# Altium PCB Ethernet2Mil_Adapter_Dual.PcbDoc (part 4 of 5)
Units mil, origin at the board's own origin, x right, y up, seen from the top; angles counter-clockwise.
Board outline 6000 x 4000 mil, 2 copper layers (Top Layer, Bottom Layer); 318 components, 359 nets, 3384 pads, 22 vias.
Unrouted connection lines stored in the file: 800.
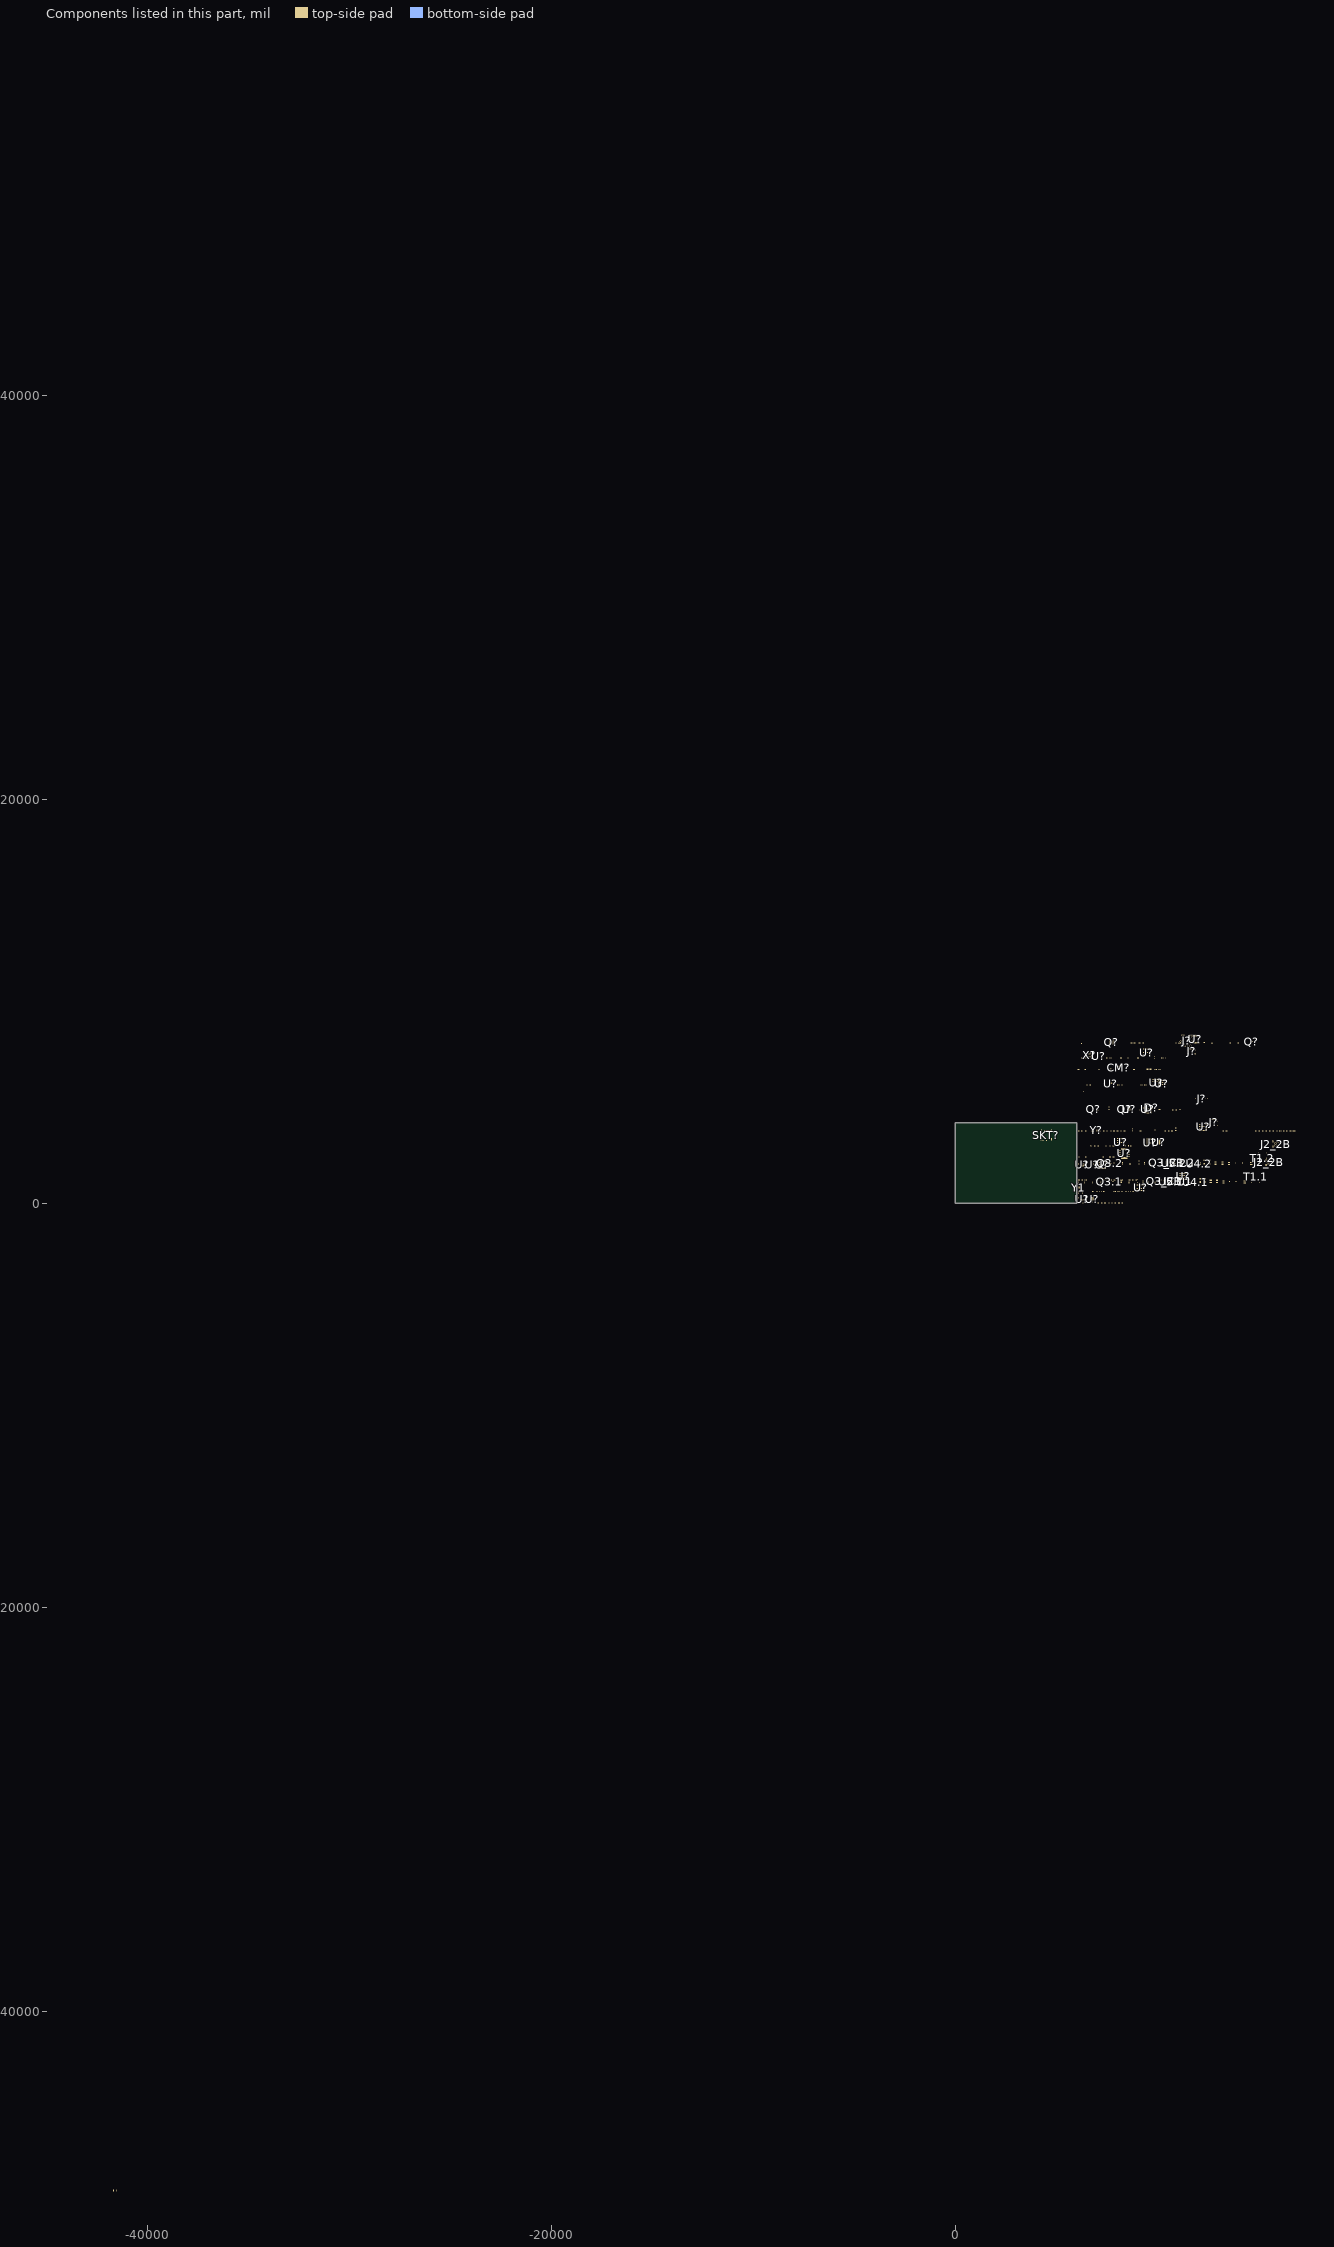
[diagram p4: the components of this part, seen from the top]

## Via types
v1: diameter 19.68, hole 7.87, Top Layer to Bottom Layer, 12 vias
v2: diameter 23.62, hole 9.84, Top Layer to Bottom Layer, 9 vias
v3: diameter 177.17, hole 118.11, Top Layer to Bottom Layer, 1 vias

## Nets (pads, with @x,y where several pads share a name; then routed paths per layer and width w, separated by ;. In a path a pad name is that pad's centre, name@x,y a point inside that pad or via, vN(x,y) a via of type N, cw(c..) or ccw(c..) an arc to the next point about the centre after c; other vN are vias at no path point) (continued)
pads on no net: C?.2@6845.04,585 D?.1@10745,8040.5 D?.2@10745,8079.5 D?.A@6105.31,2295 FD?.0 J2_2B.3@15371,1898 J2_2B.4@15371,2156 J2_2B.5@15629,1898 J2_2B.6@15969,3066 J?.A2@12701.42,4144.41 J?.A3@12721.1,4144.41 J?.A8@12819.53,4144.41 J?.A10@12858.9,4144.41 J?.A11@12878.58,4144.41 J?.B2@12884.49,4069.21 J?.B3@12852.99,4069.21 J?.B8@12758.5,4069.21 J?.B10@12727.01,4069.21 J?.B11@12695.51,4069.21 J?.MH J?.MH1 J?.MH2 Q3.1.1 Q3.1.5 Q3.1.6 Q3.2.1 Q3.2.5 Q3.2.6 Q3_2B.2 Q3_2B.3 Q3_2B.4 Q?.1@8291.85,4730 Q?.2@8291.85,4680 Q?.3@7636.85,7940 Q?.3@14699.37,8010 Q?.4@7636.85,7890 Q?.5@7823.15,7890 Q?.6@7823.15,7940 Q?.7@8478.15,4680 Q?.8@8478.15,4730 R?.1@7057.28,2845 R?.1@7615.32,2845 R?.1@7857.28,5845 R?.1@10737.28,4625 R?.1@14487.28,3575 R?.2@6444.69,6630 R?.2@6459.69,2290 R?.2@7554.9,7925 R?.2@7654.69,2845 R?.2@8209.61,7195 R?.2@8374.69,7925 R?.2@8397.72,5845 R?.2@8807.72,585 R?.2@9179.61,3580 R?.2@11149.61,4640 R?.2@12004.9,3575 U?.2@6698.23,239.53 U?.3@6698.23,219.84 U?.4@6698.23,200.16 U?.5@6698.23,180.47 U?.6@6698.23,160.79 U?.6@8136.56,2519.21 U?.7@8136.56,2499.53 U?.8@6745.47,133.23 U?.17@8212.36,2246.56 U?.18@8232.05,2246.56 U?.19@8251.73,2246.56 U?.21@6784.84,286.77 U?.36@10057.13,3130.47 U?.A1@7087.83,2082.17 U?.A1@8982.83,952.17 U?.A1@9282.83,7642.17 U?.A1@9347.83,4827.17 U?.A1@9467.83,3187.17 U?.A1@9752.83,5797.83 U?.A1@10032.83,5747.83 U?.A1@11097.83,1517.17 U?.A1@12077.83,3607.83 U?.A2@7107.52,2082.17 U?.A2@8027.52,3212.17 U?.A2@9002.52,952.17 U?.A2@9302.52,7642.17 U?.A2@9367.52,4827.17 U?.A2@9752.83,5817.52 U?.A2@10032.83,5767.52 U?.A2@11117.52,1517.17 U?.A2@12077.83,3627.52 U?.A3@7127.2,2082.17 U?.A3@9022.2,952.17 U?.A3@9322.2,7642.17 U?.A3@9387.2,4827.17 U?.A3@9507.2,3187.17 U?.A3@9752.83,5837.2 U?.A3@10032.83,5787.2 U?.A3@11137.2,1517.17 U?.A3@12077.83,3647.2 U?.A4@7146.89,2082.17 U?.A4@8066.89,3212.17 U?.A4@9041.89,952.17 U?.A4@9341.89,7642.17 U?.A4@9406.89,4827.17 U?.A4@9752.83,5856.89 U?.A4@10032.83,5806.89 U?.A4@11156.89,1517.17 U?.A4@12077.83,3666.89 U?.A5@7166.57,2082.17 U?.A5@9061.57,952.17 U?.A5@9361.57,7642.17 U?.A5@9426.57,4827.17 U?.A5@9546.57,3187.17 U?.A5@9752.83,5876.57 U?.A5@10032.83,5826.57 U?.A5@11176.57,1517.17 U?.A5@12077.83,3686.57 U?.A6@7186.26,2082.17 U?.A6@8106.26,3212.17 U?.A6@9081.26,952.17 U?.A6@9381.26,7642.17 U?.A6@9446.26,4827.17 U?.A6@9752.83,5896.26 U?.A6@10032.83,5846.26 U?.A6@11196.26,1517.17 U?.A6@12077.83,3706.26 U?.A7@7205.94,2082.17 U?.A7@9100.94,952.17 U?.A7@9400.94,7642.17 U?.A7@9465.94,4827.17 U?.A7@9585.94,3187.17 U?.A7@9752.83,5915.94 U?.A7@10032.83,5865.94 U?.A7@11215.94,1517.17 U?.A7@12077.83,3725.94 U?.A8@7225.63,2082.17 U?.A8@8145.63,3212.17 U?.A8@9120.63,952.17 U?.A8@9420.63,7642.17 U?.A8@9485.63,4827.17 U?.A8@9752.83,5935.63 U?.A8@10032.83,5885.63 U?.A8@11235.63,1517.17 U?.A8@12077.83,3745.63 U?.A9@7245.31,2082.17 U?.A9@9140.31,952.17 U?.A9@9440.31,7642.17 U?.A9@9505.31,4827.17 U?.A9@9625.31,3187.17 U?.A9@9752.83,5955.31 U?.A9@10032.83,5905.31 U?.A9@11255.31,1517.17 U?.A9@12077.83,3765.31 U?.A10@7265,2082.17 U?.A10@8185,3212.17 U?.A10@9160,952.17 U?.A10@9460,7642.17 U?.A10@9525,4827.17 U?.A10@9752.83,5975 U?.A10@10032.83,5925 U?.A10@11275,1517.17 U?.A10@12077.83,3785 U?.A11@7284.68,2082.17 U?.A11@8204.68,3212.17 U?.A11@9179.68,952.17 U?.A11@9544.68,4827.17 U?.A11@9664.68,3187.17 U?.A11@9752.83,5994.69 U?.A11@10032.83,5944.69 U?.A11@11294.68,1517.17 U?.A11@12077.83,3804.69 U?.A12@7304.37,2082.17 U?.A12@8224.37,3212.17 U?.A12@9199.37,952.17 U?.A12@9564.37,4827.17 U?.A12@9684.37,3187.17 U?.A12@9752.83,6014.37 U?.A12@10032.83,5964.37 U?.A12@11314.37,1517.17 U?.A12@12077.83,3824.37 U?.A13@7324.06,2082.17 U?.A13@8244.06,3212.17 U?.A13@9219.06,952.17 U?.A13@9584.06,4827.17 U?.A13@9704.06,3187.17 U?.A13@9752.83,6034.06 U?.A13@10032.83,5984.06 U?.A13@11334.06,1517.17 U?.A13@12077.83,3844.06 U?.A14@7343.74,2082.17 U?.A14@8263.74,3212.17 U?.A14@9238.74,952.17 U?.A14@9538.74,7642.17 U?.A14@9603.74,4827.17 U?.A14@9723.74,3187.17 U?.A14@9752.83,6053.74 U?.A14@10032.83,6003.74 U?.A14@12077.83,3863.74 U?.A15@7363.43,2082.17 U?.A15@8283.43,3212.17 U?.A15@9258.43,952.17 U?.A15@9558.43,7642.17 U?.A15@9623.43,4827.17 U?.A15@9743.43,3187.17 U?.A15@9752.83,6073.43 U?.A15@10032.83,6023.43 U?.A15@12077.83,3883.43 U?.A16@7383.11,2082.17 U?.A16@8303.11,3212.17 U?.A16@9278.11,952.17 U?.A16@9578.11,7642.17 U?.A16@9643.11,4827.17 U?.A16@9752.83,6093.11 U?.A16@9763.11,3187.17 U?.A16@10032.83,6043.11 U?.A16@12077.83,3903.11 U?.A17@7402.8,2082.17 U?.A17@8322.8,3212.17 U?.A17@9297.8,952.17 U?.A17@9597.8,7642.17 U?.A17@9662.8,4827.17 U?.A17@9752.83,6112.8 U?.A17@9782.8,3187.17 U?.A17@10032.83,6062.8 U?.A17@12077.83,3922.8 U?.A18@7422.48,2082.17 U?.A18@8342.48,3212.17 U?.A18@9317.48,952.17 U?.A18@9617.48,7642.17 U?.A18@9682.48,4827.17 U?.A18@9752.83,6132.48 U?.A18@9802.48,3187.17 U?.A18@10032.83,6082.48 U?.A18@12077.83,3942.48 U?.A19@7442.17,2082.17 U?.A19@9337.17,952.17 U?.A19@9637.17,7642.17 U?.A19@9702.17,4827.17 U?.A19@9752.83,6152.17 U?.A19@9822.17,3187.17 U?.A19@10032.83,6102.17 U?.A19@11452.17,1517.17 U?.A19@12077.83,3962.17 U?.B1@8007.83,3192.48 U?.B1@8982.83,932.48 U?.B1@9282.83,7622.48 U?.B1@9347.83,4807.48 U?.B1@9467.83,3167.48 U?.B1@9772.52,5797.83 U?.B1@10052.52,5747.83 U?.B1@11097.83,1497.48 U?.B1@12097.52,3607.83 U?.B2@7107.52,2062.48 U?.B2@8027.52,3192.48 U?.B2@9002.52,932.48 U?.B2@9302.52,7622.48 U?.B2@9367.52,4807.48 U?.B2@9772.52,5817.52 U?.B2@10052.52,5767.52 U?.B2@11117.52,1497.48 U?.B2@12097.52,3627.52 U?.B3@7127.2,2062.48 U?.B3@9022.2,932.48 U?.B3@9322.2,7622.48 U?.B3@9387.2,4807.48 U?.B3@9507.2,3167.48 U?.B3@9772.52,5837.2 U?.B3@10052.52,5787.2 U?.B3@11137.2,1497.48 U?.B3@12097.52,3647.2 U?.B4@7146.89,2062.48 U?.B4@8066.89,3192.48 U?.B4@9041.89,932.48 U?.B4@9341.89,7622.48 U?.B4@9406.89,4807.48 U?.B4@9772.52,5856.89 U?.B4@10052.52,5806.89 U?.B4@11156.89,1497.48 U?.B4@12097.52,3666.89 U?.B5@7166.57,2062.48 U?.B5@9061.57,932.48 U?.B5@9361.57,7622.48 U?.B5@9426.57,4807.48 U?.B5@9546.57,3167.48 U?.B5@9772.52,5876.57 U?.B5@10052.52,5826.57 U?.B5@11176.57,1497.48 U?.B5@12097.52,3686.57 U?.B6@7186.26,2062.48 U?.B6@8106.26,3192.48 U?.B6@9081.26,932.48 U?.B6@9381.26,7622.48 U?.B6@9446.26,4807.48 U?.B6@9772.52,5896.26 U?.B6@10052.52,5846.26 U?.B6@11196.26,1497.48 U?.B6@12097.52,3706.26 U?.B7@7205.94,2062.48 U?.B7@9100.94,932.48 U?.B7@9400.94,7622.48 U?.B7@9465.94,4807.48 U?.B7@9585.94,3167.48 U?.B7@9772.52,5915.94 U?.B7@10052.52,5865.94 U?.B7@11215.94,1497.48 U?.B7@12097.52,3725.94 U?.B8@7225.63,2062.48 U?.B8@8145.63,3192.48 U?.B8@9120.63,932.48 U?.B8@9420.63,7622.48 U?.B8@9485.63,4807.48 U?.B8@9772.52,5935.63 U?.B8@10052.52,5885.63 U?.B8@11235.63,1497.48 U?.B8@12097.52,3745.63 U?.B9@7245.31,2062.48 U?.B9@9140.31,932.48 U?.B9@9440.31,7622.48 U?.B9@9505.31,4807.48 U?.B9@9625.31,3167.48 U?.B9@9772.52,5955.31 U?.B9@10052.52,5905.31 U?.B9@11255.31,1497.48 U?.B9@12097.52,3765.31 U?.B10@7265,2062.48 U?.B10@8185,3192.48 U?.B10@9160,932.48 U?.B10@9460,7622.48 U?.B10@9525,4807.48 U?.B10@9772.52,5975 U?.B10@10052.52,5925 U?.B10@11275,1497.48 U?.B10@12097.52,3785 U?.B11@7284.68,2062.48 U?.B11@8204.68,3192.48 U?.B11@9179.68,932.48 U?.B11@9544.68,4807.48 U?.B11@9664.68,3167.48 U?.B11@9772.52,5994.69 U?.B11@10052.52,5944.69 U?.B11@11294.68,1497.48 U?.B11@12097.52,3804.69 U?.B12@7304.37,2062.48 U?.B12@8224.37,3192.48 U?.B12@9199.37,932.48 U?.B12@9564.37,4807.48 U?.B12@9684.37,3167.48 U?.B12@9772.52,6014.37 U?.B12@10052.52,5964.37 U?.B12@11314.37,1497.48 U?.B12@12097.52,3824.37 U?.B13@7324.06,2062.48 U?.B13@8244.06,3192.48 U?.B13@9219.06,932.48 U?.B13@9584.06,4807.48 U?.B13@9704.06,3167.48 U?.B13@9772.52,6034.06 U?.B13@10052.52,5984.06 U?.B13@11334.06,1497.48 U?.B13@12097.52,3844.06 U?.B14@7343.74,2062.48 U?.B14@9238.74,932.48 U?.B14@9538.74,7622.48 U?.B14@9603.74,4807.48 U?.B14@9723.74,3167.48 U?.B14@9772.52,6053.74 U?.B14@10052.52,6003.74 U?.B14@11353.74,1497.48 U?.B14@12097.52,3863.74 U?.B15@7363.43,2062.48 U?.B15@8283.43,3192.48 U?.B15@9258.43,932.48 U?.B15@9558.43,7622.48 U?.B15@9623.43,4807.48 U?.B15@9743.43,3167.48 U?.B15@9772.52,6073.43 U?.B15@10052.52,6023.43 U?.B15@12097.52,3883.43 U?.B16@7383.11,2062.48 U?.B16@8303.11,3192.48 U?.B16@9278.11,932.48 U?.B16@9578.11,7622.48 U?.B16@9643.11,4807.48 U?.B16@9763.11,3167.48 U?.B16@9772.52,6093.11 U?.B16@10052.52,6043.11 U?.B16@12097.52,3903.11 U?.B17@7402.8,2062.48 U?.B17@8322.8,3192.48 U?.B17@9297.8,932.48 U?.B17@9597.8,7622.48 U?.B17@9662.8,4807.48 U?.B17@9772.52,6112.8 U?.B17@9782.8,3167.48 U?.B17@10052.52,6062.8 U?.B17@12097.52,3922.8 U?.B18@7422.48,2062.48 U?.B18@8342.48,3192.48 U?.B18@9317.48,932.48 U?.B18@9617.48,7622.48 U?.B18@9682.48,4807.48 U?.B18@9772.52,6132.48 U?.B18@9802.48,3167.48 U?.B18@10052.52,6082.48 U?.B18@12097.52,3942.48 U?.B19@7442.17,2062.48 U?.B19@8362.17,3192.48 U?.B19@9337.17,932.48 U?.B19@9637.17,7622.48 U?.B19@9702.17,4807.48 U?.B19@9772.52,6152.17 U?.B19@9822.17,3167.48 U?.B19@11452.17,1497.48 U?.B19@12097.52,3962.17 U?.C1@8007.83,3172.8 U?.C1@8982.83,912.8 U?.C1@9282.83,7602.8 U?.C1@9347.83,4787.8 U?.C1@9467.83,3147.8 U?.C1@9792.2,5797.83 U?.C1@10072.2,5747.83 U?.C1@11097.83,1477.8 U?.C1@12117.2,3607.83 U?.C2@7107.52,2042.8 U?.C2@9002.52,912.8 U?.C2@9302.52,7602.8 U?.C2@9367.52,4787.8 U?.C2@9487.52,3147.8 U?.C2@9792.2,5817.52 U?.C2@10072.2,5767.52 U?.C2@11117.52,1477.8 U?.C2@12117.2,3627.52 U?.C3@7127.2,2042.8 U?.C3@9022.2,912.8 U?.C3@9322.2,7602.8 U?.C3@9387.2,4787.8 U?.C3@9507.2,3147.8 U?.C3@9792.2,5837.2 U?.C3@10072.2,5787.2 U?.C3@11137.2,1477.8 U?.C3@12117.2,3647.2 U?.C4@7146.89,2042.8 U?.C4@9041.89,912.8 U?.C4@9341.89,7602.8 U?.C4@9406.89,4787.8 U?.C4@9526.89,3147.8 U?.C4@9792.2,5856.89 U?.C4@10072.2,5806.89 U?.C4@11156.89,1477.8 U?.C4@12117.2,3666.89 U?.C5@8086.57,3172.8 U?.C5@9061.57,912.8 U?.C5@9361.57,7602.8 U?.C5@9426.57,4787.8 U?.C5@9546.57,3147.8 U?.C5@9792.2,5876.57 U?.C5@10072.2,5826.57 U?.C5@11176.57,1477.8 U?.C5@12117.2,3686.57 U?.C6@7186.26,2042.8 U?.C6@9081.26,912.8 U?.C6@9381.26,7602.8 U?.C6@9446.26,4787.8 U?.C6@9566.26,3147.8 U?.C6@9792.2,5896.26 U?.C6@10072.2,5846.26 U?.C6@11196.26,1477.8 U?.C6@12117.2,3706.26 U?.C7@7205.94,2042.8 U?.C7@8125.94,3172.8 U?.C7@9100.94,912.8 U?.C7@9400.94,7602.8 U?.C7@9465.94,4787.8 U?.C7@9792.2,5915.94 U?.C7@10072.2,5865.94 U?.C7@11215.94,1477.8 U?.C7@12117.2,3725.94 U?.C8@7225.63,2042.8 U?.C8@8145.63,3172.8 U?.C8@9120.63,912.8 U?.C8@9485.63,4787.8 U?.C8@9605.63,3147.8 U?.C8@9792.2,5935.63 U?.C8@10072.2,5885.63 U?.C8@11235.63,1477.8 U?.C8@12117.2,3745.63 U?.C9@7245.31,2042.8 U?.C9@8165.31,3172.8 U?.C9@9140.31,912.8 U?.C9@9440.31,7602.8 U?.C9@9505.31,4787.8 U?.C9@9625.31,3147.8 U?.C9@10072.2,5905.31 U?.C9@11255.31,1477.8 U?.C9@12117.2,3765.31 U?.C10@7265,2042.8 U?.C10@9160,912.8 U?.C10@9460,7602.8 U?.C10@9525,4787.8 U?.C10@9645,3147.8 U?.C10@9792.2,5975 U?.C10@10072.2,5925 U?.C10@11275,1477.8 U?.C10@12117.2,3785 U?.C11@7284.68,2042.8 U?.C11@8204.68,3172.8 U?.C11@9179.68,912.8 U?.C11@9544.68,4787.8 U?.C11@9664.68,3147.8 U?.C11@9792.2,5994.69 U?.C11@10072.2,5944.69 U?.C11@11294.68,1477.8 U?.C11@12117.2,3804.69 U?.C12@7304.37,2042.8 U?.C12@9199.37,912.8 U?.C12@9499.37,7602.8 U?.C12@9564.37,4787.8 U?.C12@9684.37,3147.8 U?.C12@9792.2,6014.37 U?.C12@10072.2,5964.37 U?.C12@11314.37,1477.8 U?.C12@12117.2,3824.37 U?.C13@7324.06,2042.8 U?.C13@8244.06,3172.8 U?.C13@9219.06,912.8 U?.C13@9519.06,7602.8 U?.C13@9584.06,4787.8 U?.C13@9704.06,3147.8 U?.C13@10072.2,5984.06 U?.C13@11334.06,1477.8 U?.C13@12117.2,3844.06 U?.C14@7343.74,2042.8 U?.C14@8263.74,3172.8 U?.C14@9238.74,912.8 U?.C14@9538.74,7602.8 U?.C14@9603.74,4787.8 U?.C14@9723.74,3147.8 U?.C14@9792.2,6053.74 U?.C14@11353.74,1477.8 U?.C14@12117.2,3863.74 U?.C15@7363.43,2042.8 U?.C15@8283.43,3172.8 U?.C15@9258.43,912.8 U?.C15@9558.43,7602.8 U?.C15@9623.43,4787.8 U?.C15@9743.43,3147.8 U?.C15@9792.2,6073.43 U?.C15@10072.2,6023.43 U?.C15@12117.2,3883.43 U?.C16@7383.11,2042.8 U?.C16@8303.11,3172.8 U?.C16@9278.11,912.8 U?.C16@9578.11,7602.8 U?.C16@9643.11,4787.8 U?.C16@9763.11,3147.8 U?.C16@9792.2,6093.11 U?.C16@10072.2,6043.11 U?.C16@12117.2,3903.11 U?.C17@7402.8,2042.8 U?.C17@8322.8,3172.8 U?.C17@9297.8,912.8 U?.C17@9597.8,7602.8 U?.C17@9662.8,4787.8 U?.C17@9782.8,3147.8 U?.C17@9792.2,6112.8 U?.C17@10072.2,6062.8 U?.C17@12117.2,3922.8 U?.C18@7422.48,2042.8 U?.C18@8342.48,3172.8 U?.C18@9317.48,912.8 U?.C18@9617.48,7602.8 U?.C18@9682.48,4787.8 U?.C18@9792.2,6132.48 U?.C18@9802.48,3147.8 U?.C18@11432.48,1477.8 U?.C18@12117.2,3942.48 U?.C19@7442.17,2042.8 U?.C19@9337.17,912.8 U?.C19@9637.17,7602.8 U?.C19@9702.17,4787.8 U?.C19@9792.2,6152.17 U?.C19@9822.17,3147.8 U?.C19@10072.2,6102.17 U?.C19@11452.17,1477.8 U?.C19@12117.2,3962.17 U?.D1@7087.83,2023.11 U?.D1@8007.83,3153.11 U?.D1@8982.83,893.11 U?.D1@9282.83,7583.11 U?.D1@9347.83,4768.11 U?.D1@9811.89,5797.83 U?.D1@10091.89,5747.83 U?.D1@11097.83,1458.11 U?.D1@12136.89,3607.83 U?.D2@7107.52,2023.11 U?.D2@8027.52,3153.11 U?.D2@9002.52,893.11 U?.D2@9302.52,7583.11 U?.D2@9367.52,4768.11 U?.D2@9811.89,5817.52 U?.D2@10091.89,5767.52 U?.D2@11117.52,1458.11 U?.D2@12136.89,3627.52 U?.D3@7127.2,2023.11 U?.D3@9022.2,893.11 U?.D3@9322.2,7583.11 U?.D3@9387.2,4768.11 U?.D3@9507.2,3128.11 U?.D3@9811.89,5837.2 U?.D3@10091.89,5787.2 U?.D3@11137.2,1458.11 U?.D3@12136.89,3647.2 U?.D17@7402.8,2023.11 U?.D17@8322.8,3153.11 U?.D17@9597.8,7583.11 U?.D17@9662.8,4768.11 U?.D17@9782.8,3128.11 U?.D17@9811.89,6112.8 U?.D17@10091.89,6062.8 U?.D17@11412.8,1458.11 U?.D17@12136.89,3922.8 U?.D18@7422.48,2023.11 U?.D18@8342.48,3153.11 U?.D18@9617.48,7583.11 U?.D18@9682.48,4768.11 U?.D18@9802.48,3128.11 U?.D18@9811.89,6132.48 U?.D18@10091.89,6082.48 U?.D18@11432.48,1458.11 U?.D18@12136.89,3942.48 U?.D19@7442.17,2023.11 U?.D19@8362.17,3153.11 U?.D19@9637.17,7583.11 U?.D19@9702.17,4768.11 U?.D19@9811.89,6152.17 U?.D19@9822.17,3128.11 U?.D19@10091.89,6102.17 U?.D19@11452.17,1458.11 U?.D19@12136.89,3962.17 U?.E1@8007.83,3133.43 U?.E1@8982.83,873.43 U?.E1@9282.83,7563.43 U?.E1@9347.83,4748.43 U?.E1@9467.83,3108.43 U?.E1@9831.57,5797.83 U?.E1@10111.57,5747.83 U?.E1@11097.83,1438.43 U?.E1@12156.57,3607.83 U?.E2@8027.52,3133.43 U?.E2@9002.52,873.43 U?.E2@9302.52,7563.43 U?.E2@9367.52,4748.43 U?.E2@9487.52,3108.43 U?.E2@9831.57,5817.52 U?.E2@10111.57,5767.52 U?.E2@11117.52,1438.43 U?.E2@12156.57,3627.52 U?.E3@7127.2,2003.43 U?.E3@9022.2,873.43 U?.E3@9322.2,7563.43 U?.E3@9387.2,4748.43 U?.E3@9507.2,3108.43 U?.E3@9831.57,5837.2 U?.E3@10111.57,5787.2 U?.E3@11137.2,1438.43 U?.E3@12156.57,3647.2 U?.E17@7402.8,2003.43 U?.E17@9297.8,873.43 U?.E17@9597.8,7563.43 U?.E17@9662.8,4748.43 U?.E17@9782.8,3108.43 U?.E17@9831.57,6112.8 U?.E17@10111.57,6062.8 U?.E17@11412.8,1438.43 U?.E17@12156.57,3922.8 U?.E18@7422.48,2003.43 U?.E18@8342.48,3133.43 U?.E18@9617.48,7563.43 U?.E18@9682.48,4748.43 U?.E18@9802.48,3108.43 U?.E18@9831.57,6132.48 U?.E18@10111.57,6082.48 U?.E18@11432.48,1438.43 U?.E18@12156.57,3942.48 U?.E19@7442.17,2003.43 U?.E19@8362.17,3133.43 U?.E19@9637.17,7563.43 U?.E19@9702.17,4748.43 U?.E19@9822.17,3108.43 U?.E19@9831.57,6152.17 U?.E19@10111.57,6102.17 U?.E19@11452.17,1438.43 U?.E19@12156.57,3962.17 U?.F1@7087.83,1983.74 U?.F1@8982.83,853.74 U?.F1@9282.83,7543.74 U?.F1@9347.83,4728.74 U?.F1@9467.83,3088.74 U?.F1@9851.26,5797.83 U?.F1@10131.26,5747.83 U?.F1@11097.83,1418.74 U?.F1@12176.26,3607.83 U?.F2@7107.52,1983.74 U?.F2@9002.52,853.74 U?.F2@9302.52,7543.74 U?.F2@9367.52,4728.74 U?.F2@9487.52,3088.74 U?.F2@9851.26,5817.52 U?.F2@10131.26,5767.52 U?.F2@11117.52,1418.74 U?.F2@12176.26,3627.52 U?.F3@8047.2,3113.74 U?.F3@9022.2,853.74 U?.F3@9322.2,7543.74 U?.F3@9387.2,4728.74 U?.F3@9507.2,3088.74 U?.F3@9851.26,5837.2 U?.F3@10131.26,5787.2 U?.F3@11137.2,1418.74 U?.F3@12176.26,3647.2 U?.F17@7402.8,1983.74 U?.F17@8322.8,3113.74 U?.F17@9297.8,853.74 U?.F17@9597.8,7543.74 U?.F17@9662.8,4728.74 U?.F17@9782.8,3088.74 U?.F17@9851.26,6112.8 U?.F17@11412.8,1418.74 U?.F17@12176.26,3922.8 U?.F18@7422.48,1983.74 U?.F18@8342.48,3113.74 U?.F18@9617.48,7543.74 U?.F18@9682.48,4728.74 U?.F18@9802.48,3088.74 U?.F18@9851.26,6132.48 U?.F18@10131.26,6082.48 U?.F18@11432.48,1418.74 U?.F18@12176.26,3942.48 U?.F19@7442.17,1983.74 U?.F19@9337.17,853.74 U?.F19@9637.17,7543.74 U?.F19@9702.17,4728.74 U?.F19@9822.17,3088.74 U?.F19@9851.26,6152.17 U?.F19@10131.26,6102.17 U?.F19@11452.17,1418.74 U?.F19@12176.26,3962.17 U?.G1@7087.83,1964.06 U?.G1@8982.83,834.06 U?.G1@9282.83,7524.06 U?.G1@9347.83,4709.06 U?.G1@9467.83,3069.06 U?.G1@9870.94,5797.83 U?.G1@10150.94,5747.83 U?.G1@11097.83,1399.06 U?.G1@12195.94,3607.83 U?.G2@7107.52,1964.06 U?.G2@8027.52,3094.06 U?.G2@9002.52,834.06 U?.G2@9302.52,7524.06 U?.G2@9367.52,4709.06 U?.G2@9487.52,3069.06 U?.G2@9870.94,5817.52 U?.G2@10150.94,5767.52 U?.G2@11117.52,1399.06 U?.G3@7127.2,1964.06 U?.G3@8047.2,3094.06 U?.G3@9022.2,834.06 U?.G3@9322.2,7524.06 U?.G3@9387.2,4709.06 U?.G3@9507.2,3069.06 U?.G3@9870.94,5837.2 U?.G3@10150.94,5787.2 U?.G3@11137.2,1399.06 U?.G7@8125.94,3094.06 U?.G7@9100.94,834.06 U?.G7@9400.94,7524.06 U?.G7@9465.94,4709.06 U?.G7@9585.94,3069.06 U?.G7@9870.94,5915.94 U?.G7@10150.94,5865.94 U?.G7@11215.94,1399.06 U?.G7@12195.94,3725.94 U?.G8@7225.63,1964.06 U?.G8@9120.63,834.06 U?.G8@9420.63,7524.06 U?.G8@9485.63,4709.06 U?.G8@9605.63,3069.06 U?.G8@9870.94,5935.63 U?.G8@10150.94,5885.63 U?.G8@11235.63,1399.06 U?.G8@12195.94,3745.63 U?.G9@8165.31,3094.06 U?.G9@9140.31,834.06 U?.G9@9440.31,7524.06 U?.G9@9505.31,4709.06 U?.G9@9625.31,3069.06 U?.G9@9870.94,5955.31 U?.G9@10150.94,5905.31 U?.G9@11255.31,1399.06 U?.G9@12195.94,3765.31 U?.G10@7265,1964.06 U?.G10@8185,3094.06 U?.G10@9160,834.06 U?.G10@9460,7524.06 U?.G10@9525,4709.06 U?.G10@9645,3069.06 U?.G10@10150.94,5925 U?.G10@11275,1399.06 U?.G10@12195.94,3785 U?.G11@7284.68,1964.06 U?.G11@9179.68,834.06 U?.G11@9479.68,7524.06 U?.G11@9544.68,4709.06 U?.G11@9664.68,3069.06 U?.G11@9870.94,5994.69 U?.G11@10150.94,5944.69 U?.G11@11294.68,1399.06 U?.G11@12195.94,3804.69 U?.G12@7304.37,1964.06 U?.G12@8224.37,3094.06 U?.G12@9199.37,834.06 U?.G12@9499.37,7524.06 U?.G12@9564.37,4709.06 U?.G12@9684.37,3069.06 U?.G12@9870.94,6014.37 U?.G12@11314.37,1399.06 U?.G12@12195.94,3824.37 U?.G13@7324.06,1964.06 U?.G13@8244.06,3094.06 U?.G13@9219.06,834.06 U?.G13@9519.06,7524.06 U?.G13@9584.06,4709.06 U?.G13@9704.06,3069.06 U?.G13@9870.94,6034.06 U?.G13@11334.06,1399.06 U?.G13@12195.94,3844.06 U?.G17@7402.8,1964.06 U?.G17@8322.8,3094.06 U?.G17@9597.8,7524.06 U?.G17@9662.8,4709.06 U?.G17@9782.8,3069.06 U?.G17@9870.94,6112.8 U?.G17@10150.94,6062.8 U?.G17@11412.8,1399.06 U?.G17@12195.94,3922.8 U?.G18@7422.48,1964.06 U?.G18@8342.48,3094.06 U?.G18@9617.48,7524.06 U?.G18@9682.48,4709.06 U?.G18@9802.48,3069.06 U?.G18@9870.94,6132.48 U?.G18@10150.94,6082.48 U?.G18@11432.48,1399.06 U?.G18@12195.94,3942.48 U?.G19@7442.17,1964.06 U?.G19@8362.17,3094.06 U?.G19@9637.17,7524.06 U?.G19@9702.17,4709.06 U?.G19@9822.17,3069.06 U?.G19@9870.94,6152.17 U?.G19@10150.94,6102.17 U?.G19@11452.17,1399.06 U?.G19@12195.94,3962.17 U?.H1@7087.83,1944.37 U?.H1@8007.83,3074.37 U?.H1@8982.83,814.37 U?.H1@9282.83,7504.37 U?.H1@9347.83,4689.37 U?.H1@9467.83,3049.37 U?.H1@9890.63,5797.83 U?.H1@10170.63,5747.83 U?.H1@11097.83,1379.37 U?.H2@7107.52,1944.37 U?.H2@8027.52,3074.37 U?.H2@9002.52,814.37 U?.H2@9302.52,7504.37 U?.H2@9367.52,4689.37 U?.H2@9487.52,3049.37 U?.H2@9890.63,5817.52 U?.H2@10170.63,5767.52 U?.H2@11117.52,1379.37 U?.H3@7127.2,1944.37 U?.H3@8047.2,3074.37 U?.H3@9022.2,814.37 U?.H3@9322.2,7504.37 U?.H3@9387.2,4689.37 U?.H3@9507.2,3049.37 U?.H3@9890.63,5837.2 U?.H3@11137.2,1379.37 U?.H3@12215.63,3647.2 U?.H7@7205.94,1944.37 U?.H7@9100.94,814.37 U?.H7@9400.94,7504.37 U?.H7@9465.94,4689.37 U?.H7@9585.94,3049.37 U?.H7@9890.63,5915.94 U?.H7@10170.63,5865.94 U?.H7@11215.94,1379.37 U?.H7@12215.63,3725.94 U?.H8@7225.63,1944.37 U?.H8@9120.63,814.37 U?.H8@9420.63,7504.37 U?.H8@9485.63,4689.37 U?.H8@9605.63,3049.37 U?.H8@9890.63,5935.63 U?.H8@10170.63,5885.63 U?.H8@11235.63,1379.37 U?.H8@12215.63,3745.63 U?.H9@8165.31,3074.37 U?.H9@9140.31,814.37 U?.H9@9440.31,7504.37 U?.H9@9505.31,4689.37 U?.H9@9625.31,3049.37 U?.H9@9890.63,5955.31 U?.H9@10170.63,5905.31 U?.H9@11255.31,1379.37 U?.H9@12215.63,3765.31 U?.H10@7265,1944.37 